# KiCad board Whimsy.kicad_pcb
title: Whimsy; date: 2020-03-06; rev: 0.2; company: Prkns
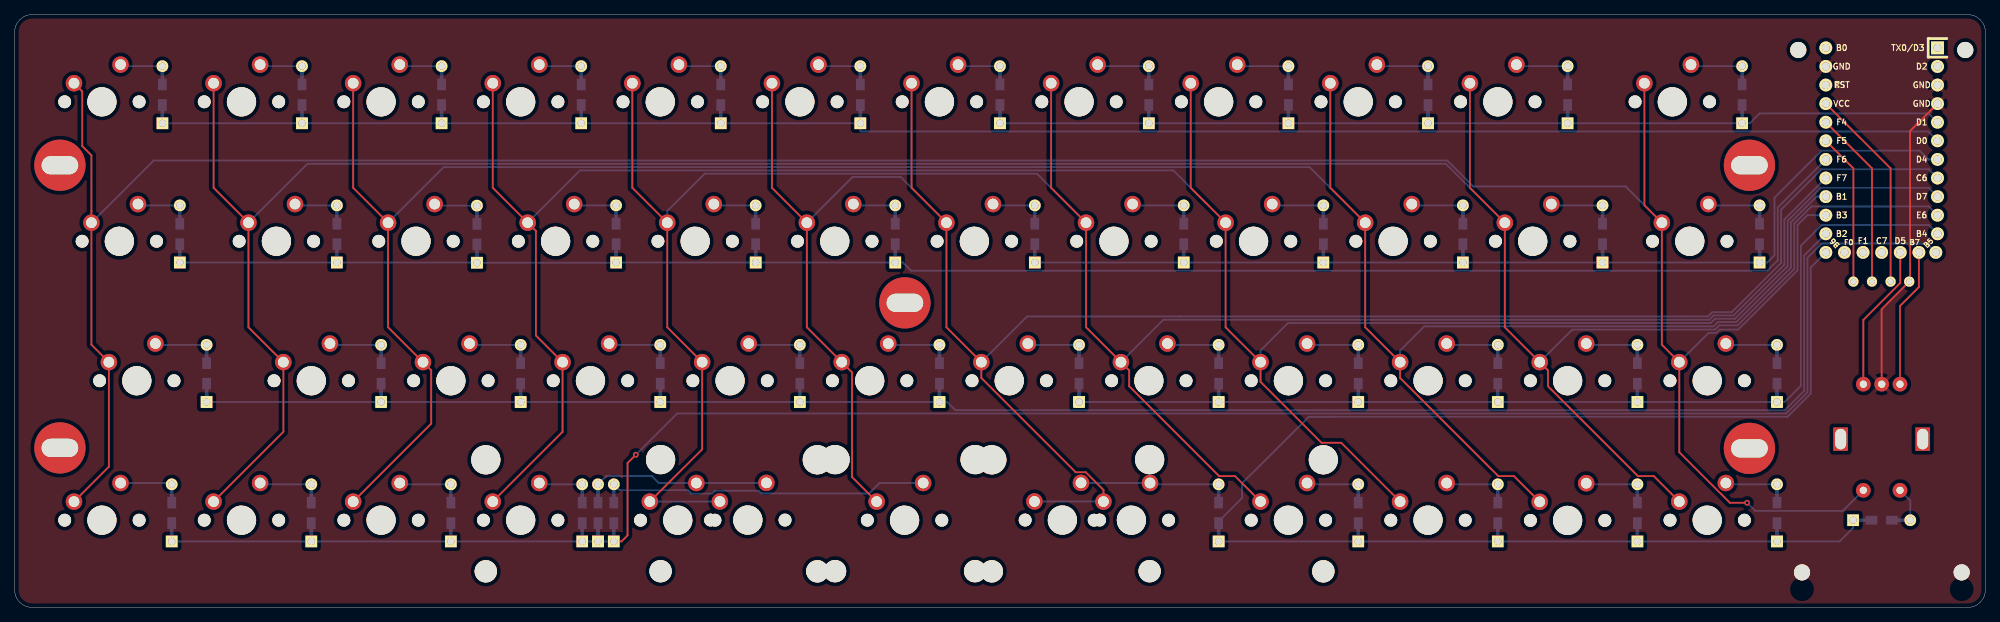
[diagram p0: board, top side]
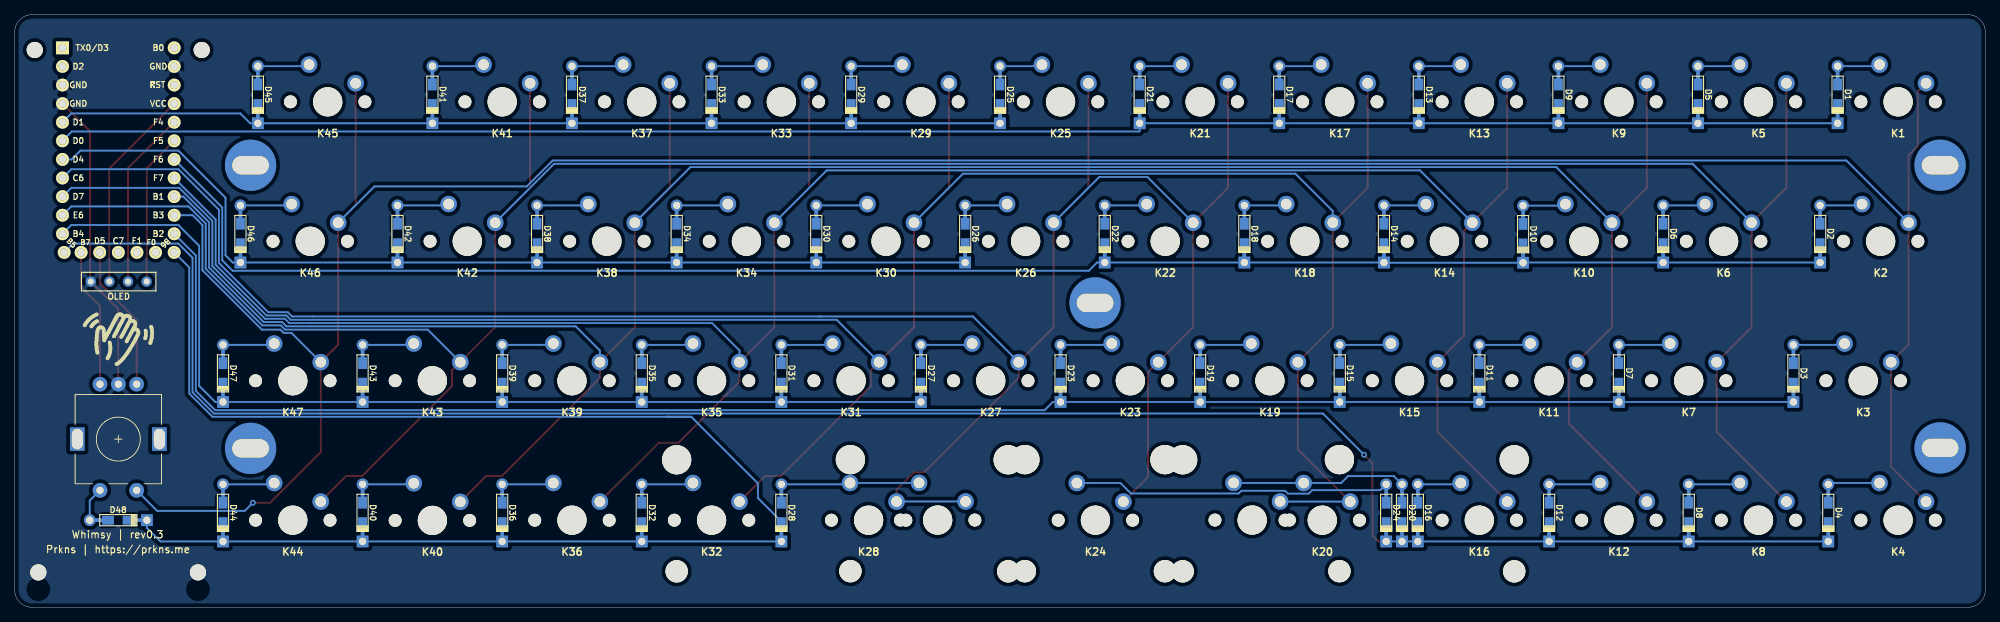
[diagram p1: board, bottom side, seen from below]

Outline 268.94 x 80.96 mm; copper layers: Top, Bottom. Coordinates in mm from the lower left corner of the outline.
Outline path: 0,78.58 arc(0.7,80.27) 2.38,80.96 266.56,80.96 arc(268.24,80.27) 268.94,78.58 268.94,2.38 arc(268.24,0.7) 266.56,0 2.38,0 arc(0.7,0.7) 0,2.38 0,78.58

## Placement (name value [footprint] x y rotation side)
D1  D  [Diode-Hybrid-Back]  20.16 70.02 270 top
D2  D  [Diode-Hybrid-Back]  22.54 51.01 270 top
D3  D  [Diode-Hybrid-Back]  26.19 31.96 270 top
D4  D  [Diode-Hybrid-Back]  21.43 12.91 270 top
D5  D  [Diode-Hybrid-Back]  39.21 70.02 270 top
D6  D  [Diode-Hybrid-Back]  43.97 51.01 270 top
D7  D  [Diode-Hybrid-Back]  50.01 31.96 270 top
D8  D  [Diode-Hybrid-Back]  40.48 12.91 270 top
D9  D  [Diode-Hybrid-Back]  58.26 70.02 270 top
D10  D  [Diode-Hybrid-Back]  63.09 50.97 270 top
D11  D  [Diode-Hybrid-Back]  69.06 31.96 270 top
D12  D  [Diode-Hybrid-Back]  59.53 12.91 270 top
D13  D  [Diode-Hybrid-Back]  77.31 70.02 270 top
D14  D  [Diode-Hybrid-Back]  82.07 51.01 270 top
D15  D  [Diode-Hybrid-Back]  88.11 31.96 270 top
D16  D  [Diode-Hybrid-Back]  77.45 12.91 270 top
D17  D  [Diode-Hybrid-Back]  96.36 70.02 270 top
D18  D  [Diode-Hybrid-Back]  101.12 51.01 270 top
D19  D  [Diode-Hybrid-Back]  107.16 31.96 270 top
D20  D  [Diode-Hybrid-Back]  79.61 12.91 270 top
D21  D  [Diode-Hybrid-Back]  115.41 70.02 270 top
D22  D  [Diode-Hybrid-Back]  120.17 51.01 270 top
D23  D  [Diode-Hybrid-Back]  126.21 31.96 270 top
D24  D  [Diode-Hybrid-Back]  81.77 12.91 270 top
D25  D  [Diode-Hybrid-Back]  134.46 70.02 270 top
D26  D  [Diode-Hybrid-Back]  139.22 51.01 270 top
D27  D  [Diode-Hybrid-Back]  145.26 31.96 270 top
D28  D  [Diode-Hybrid-Back]  164.31 12.91 270 top
D29  D  [Diode-Hybrid-Back]  154.78 70.02 270 top
D30  D  [Diode-Hybrid-Back]  159.54 51.01 270 top
D31  D  [Diode-Hybrid-Back]  164.31 31.96 270 top
D32  D  [Diode-Hybrid-Back]  183.36 12.91 270 top
D33  D  [Diode-Hybrid-Back]  173.83 70.02 270 top
D34  D  [Diode-Hybrid-Back]  178.59 51.01 270 top
D35  D  [Diode-Hybrid-Back]  183.36 31.96 270 top
D36  D  [Diode-Hybrid-Back]  202.41 12.91 270 top
D37  D  [Diode-Hybrid-Back]  192.88 70.02 270 top
D38  D  [Diode-Hybrid-Back]  197.64 51.01 270 top
D39  D  [Diode-Hybrid-Back]  202.41 31.96 270 top
D40  D  [Diode-Hybrid-Back]  221.46 12.91 270 top
D41  D  [Diode-Hybrid-Back]  211.93 70.02 270 top
D42  D  [Diode-Hybrid-Back]  216.69 51.01 270 top
D43  D  [Diode-Hybrid-Back]  221.46 31.96 270 top
D44  D  [Diode-Hybrid-Back]  240.51 12.91 270 top
D45  D  [Diode-Hybrid-Back]  235.74 70.02 270 top
D46  D  [Diode-Hybrid-Back]  238.12 51.01 270 top
D47  D  [Diode-Hybrid-Back]  240.51 31.96 270 top
D48  D  [Diode-Hybrid-Back]  254.79 11.91 180 top
HOLE  VAL**  [PKRH]  121.49 41.59 0 top
HOLE#2  VAL**  [PKRH]  236.74 21.72 0 top
HOLE#3  VAL**  [PKRH]  236.74 60.39 0 top
HOLE#4  VAL**  [PKRH]  6.18 21.78 0 top
HOLE#5  VAL**  [PKRH]  6.18 60.39 0 top
J1  OLED  [OLED_4Pin]  250.93 44.5 0 top
K1  KEYSW  [MXOnly-1U-NoLED]  11.91 69.06 0 top
K2  KEYSW  [MXOnly-1.25U-NoLED]  14.29 50.01 0 top
K3  KEYSW  [MXOnly-1.5U-NoLED]  16.67 30.96 0 top
K4  KEYSW  [MXOnly-1U-NoLED]  11.91 11.91 0 top
K5  KEYSW  [MXOnly-1U-NoLED]  30.96 69.06 0 top
K6  KEYSW  [MXOnly-1U-NoLED]  35.72 50.01 0 top
K7  KEYSW  [MXOnly-1U-NoLED]  40.48 30.96 0 top
K8  KEYSW  [MXOnly-1U-NoLED]  30.96 11.91 0 top
K9  KEYSW  [MXOnly-1U-NoLED]  50.01 69.06 0 top
K10  KEYSW  [MXOnly-1U-NoLED]  54.77 50.01 0 top
K11  KEYSW  [MXOnly-1U-NoLED]  59.53 30.96 0 top
K12  KEYSW  [MXOnly-1U-NoLED]  50.01 11.91 0 top
K13  KEYSW  [MXOnly-1U-NoLED]  69.06 69.06 0 top
K14  KEYSW  [MXOnly-1U-NoLED]  73.82 50.01 0 top
K15  KEYSW  [MXOnly-1U-NoLED]  78.58 30.96 0 top
K16  KEYSW  [MXOnly-1U-NoLED]  69.06 11.91 0 top
K17  KEYSW  [MXOnly-1U-NoLED]  88.11 69.06 0 top
K18  KEYSW  [MXOnly-1U-NoLED]  92.87 50.01 0 top
K19  KEYSW  [MXOnly-1U-NoLED]  97.63 30.96 0 top
K20  KEYSW  [MXOnly-1.25U-NoLED]  90.49 11.91 0 top
K21  KEYSW  [MXOnly-1U-NoLED]  107.16 69.06 0 top
K22  KEYSW  [MXOnly-1U-NoLED]  111.92 50.01 0 top
K23  KEYSW  [MXOnly-1U-NoLED]  116.68 30.96 0 top
K24  KEYSW  [MXOnly-2U-ReversedStabilizers-NoLED]  121.44 11.91 0 top
K25  KEYSW  [MXOnly-1U-NoLED]  126.21 69.06 0 top
K26  KEYSW  [MXOnly-1U-NoLED]  130.97 50.01 0 top
K27  KEYSW  [MXOnly-1U-NoLED]  135.73 30.96 0 top
K28  KEYSW  [MXOnly-1.25U-NoLED]  152.4 11.91 0 top
K29  KEYSW  [MXOnly-1U-NoLED]  145.26 69.06 0 top
K30  KEYSW  [MXOnly-1U-NoLED]  150.02 50.01 0 top
K31  KEYSW  [MXOnly-1U-NoLED]  154.78 30.96 0 top
K32  KEYSW  [MXOnly-1U-NoLED]  173.83 11.91 0 top
K33  KEYSW  [MXOnly-1U-NoLED]  164.31 69.06 0 top
K34  KEYSW  [MXOnly-1U-NoLED]  169.07 50.01 0 top
K35  KEYSW  [MXOnly-1U-NoLED]  173.83 30.96 0 top
K36  KEYSW  [MXOnly-1U-NoLED]  192.88 11.91 0 top
K37  KEYSW  [MXOnly-1U-NoLED]  183.36 69.06 0 top
K38  KEYSW  [MXOnly-1U-NoLED]  188.12 50.01 0 top
K39  KEYSW  [MXOnly-1U-NoLED]  192.88 30.96 0 top
K40  KEYSW  [MXOnly-1U-NoLED]  211.93 11.87 0 top
K41  KEYSW  [MXOnly-1U-NoLED]  202.41 69.06 0 top
K42  KEYSW  [MXOnly-1U-NoLED]  207.17 50.01 0 top
K43  KEYSW  [MXOnly-1U-NoLED]  211.93 30.96 0 top
K44  KEYSW  [MXOnly-1U-NoLED]  230.98 11.91 0 top
K45  KEYSW  [MXOnly-1.5U-NoLED]  226.22 69.06 0 top
K46  KEYSW  [MXOnly-1.25U-NoLED]  228.6 50.01 0 top
K47  KEYSW  [MXOnly-1U-NoLED]  230.98 30.96 0 top
REF**  7U  [MXOnly-7U-NoSwitch]  121.44 11.91 180 top
REF**#2  2.25U  [MXOnly-2.25U-ReversedStabilizers-NoLED]  142.98 11.93 0 top
REF**#3  2.25U  [MXOnly-2.25U-ReversedStabilizers-NoLED]  100.05 11.93 0 top
SW1  Rotary_Encoder_Switch  [RotaryEncoder_Alps_EC11E-Switch_Vertical_H20mm-keebio_modified]  254.79 22.98 270 top
TOP_R  -  [MountingHole_2.2mm_M2]  243.92 4.78 0 top
TOP_R#2  -  [MountingHole_2.2mm_M2]  265.71 4.78 0 top
TOP_R#3  -  [MountingHole_2.2mm_M2]  243.41 76.14 0 top
TOP_R#4  -  [MountingHole_2.2mm_M2]  266.2 76.14 0 top
U1  Elite-C  [Elite-C-NoSilk]  254.79 62.46 270 bottom
Wave Back  -  [Wave-Back]  333.12 41.34 0 top
Wave Back#2  -  [Wave-Back]  249.94 40.28 0 bottom

## Footprints (pads in the part's own frame, mm; a bottom-side part is the same pattern mirrored in y, then rotated)
Diode-Hybrid-Back
  rect 1.6x1.2 smd far side: 1(1.4,0) 2(-1.4,0)
  rect 2.9x0.5 smd far side: 1(2.5,0) 2(-2.5,0)
  rect 1.6x1.6 hole 1: 1(3.9,0)
  round 1.6 hole 1: 2(-3.9,0)
Elite-C-NoSilk
  rect 1.753x1.753 hole 1.092: 1(-13.97,-7.62)
  round 1.753 hole 1.092: 2(-11.43,-7.62) 3(-8.89,-7.62) 4(-6.35,-7.62) 5(-3.81,-7.62) 6(-1.27,-7.62) 7(1.27,-7.62) 8(3.81,-7.62) 9(6.35,-7.62) 10(8.89,-7.62) 11(11.43,-7.62) 12(13.97,-7.391) 13(13.97,7.62) 14(11.43,7.62) 15(8.89,7.62) 16(6.35,7.62) 17(3.81,7.62) 18(1.27,7.62) 19(-1.27,7.62) 20(-3.81,7.62) 21(-6.35,7.62) 22(-8.89,7.62) 23(-11.43,7.62) 24(-13.97,7.62) 25(13.97,-5.08) 26(13.97,-2.54) 27(13.97,0) 28(13.97,2.54) 29(13.97,5.08)
MountingHole_2.2mm_M2
  round 2.2 hole 2.2 unplated: (0,0)
MXOnly-1.5U-NoLED
  round 1.75 hole 1.75 unplated: (-5.08,0) (5.08,0)
  round 3.988 hole 3.988 unplated: (0,0)
  round 2.25 hole 1.47: 1(-3.81,2.54) 2(2.54,5.08)
MXOnly-1.25U-NoLED
  round 1.75 hole 1.75 unplated: (-5.08,0) (5.08,0)
  round 3.988 hole 3.988 unplated: (0,0)
  round 2.25 hole 1.47: 1(-3.81,2.54) 2(2.54,5.08)
MXOnly-1U-NoLED
  round 1.75 hole 1.75 unplated: (-5.08,0) (5.08,0)
  round 3.988 hole 3.988 unplated: (0,0)
  round 2.25 hole 1.47: 1(-3.81,2.54) 2(2.54,5.08)
MXOnly-2.25U-ReversedStabilizers-NoLED
  round 3.988 hole 3.988 unplated: (-11.906,8.255) (0,0) (11.906,8.255)
  round 3.048 hole 3.048 unplated: (-11.906,-6.985) (11.906,-6.985)
  round 1.75 hole 1.75 unplated: (-5.08,0) (5.08,0)
  round 2.25 hole 1.47: 1(-3.81,2.54) 2(2.54,5.08)
MXOnly-2U-ReversedStabilizers-NoLED
  round 3.988 hole 3.988 unplated: (-11.906,8.255) (0,0) (11.906,8.255)
  round 3.048 hole 3.048 unplated: (-11.906,-6.985) (11.906,-6.985)
  round 1.75 hole 1.75 unplated: (-5.08,0) (5.08,0)
  round 2.25 hole 1.47: 1(-3.81,2.54) 2(2.54,5.08)
MXOnly-7U-NoSwitch
  round 3.048 hole 3.048 unplated: (-57.15,6.985) (57.15,6.985)
  round 3.988 hole 3.988 unplated: (-57.15,-8.255) (57.15,-8.255)
OLED_4Pin
  round 1.397 hole 0.813: 1(0,0) 2(2.54,0) 3(5.08,0) 4(7.62,0)
PKRH
  round 7 hole 5.001x2.499: 1(0,0)
RotaryEncoder_Alps_EC11E-Switch_Vertical_H20mm-keebio_modified
  round 2 hole 1: A(-7.5,2.5) B(-7.5,-2.5) C(-7.5,0) S1(7,-2.5) S2(7,2.5)
  rect 3.2x2 hole 2.8x1.5: MP(0,5.6) MP(0,-5.6)

## Nets
GND: J1.4 SW1.C U1.3 U1.4 U1.23
VCC: J1.3 U1.21
col0: K1.1 K2.1 K3.1 K4.1 K45.1 K46.1 K47.1 SW1.S1 U1.15
col1: K5.1 K6.1 K7.1 K8.1 K41.1 K42.1 K43.1 K44.1 U1.10
col2: K9.1 K10.1 K11.1 K12.1 K37.1 K38.1 K39.1 K40.1 U1.16
col3: K13.1 K14.1 K15.1 K16.1 K33.1 K34.1 K35.1 K36.1 U1.9
col4: K17.1 K18.1 K19.1 K20.1 K29.1 K30.1 K31.1 K32.1 REF**#3.1 U1.17
col5: K21.1 K22.1 K23.1 K24.1 K25.1 K26.1 K27.1 K28.1 REF**#2.1 U1.8
rot0: SW1.A U1.25
rot1: SW1.B U1.26
row0: D1.1 D5.1 D9.1 D13.1 D17.1 D21.1 U1.6
row1: D2.1 D6.1 D10.1 D14.1 D18.1 D22.1 U1.18
row2: D3.1 D7.1 D11.1 D15.1 D19.1 D23.1 U1.14
row3: D4.1 D8.1 D12.1 D16.1 D20.1 D24.1 U1.12
row4: D25.1 D29.1 D33.1 D37.1 D41.1 D45.1 U1.5
row5: D26.1 D30.1 D34.1 D38.1 D42.1 D46.1 U1.7
row6: D27.1 D31.1 D35.1 D39.1 D43.1 D47.1 U1.11
row7: D28.1 D32.1 D36.1 D40.1 D44.1 D48.1 U1.13
SCL: J1.2 U1.20
SDA: J1.1 U1.19
Net-(D1-Pad2): D1.2 K1.2
Net-(D2-Pad2): D2.2 K2.2
Net-(D3-Pad2): D3.2 K3.2
Net-(D4-Pad2): D4.2 K4.2
Net-(D5-Pad2): D5.2 K5.2
Net-(D6-Pad2): D6.2 K6.2
Net-(D7-Pad2): D7.2 K7.2
Net-(D8-Pad2): D8.2 K8.2
Net-(D9-Pad2): D9.2 K9.2
Net-(D10-Pad2): D10.2 K10.2
Net-(D11-Pad2): D11.2 K11.2
Net-(D12-Pad2): D12.2 K12.2
Net-(D13-Pad2): D13.2 K13.2
Net-(D14-Pad2): D14.2 K14.2
Net-(D15-Pad2): D15.2 K15.2
Net-(D16-Pad2): D16.2 K16.2
Net-(D17-Pad2): D17.2 K17.2
Net-(D18-Pad2): D18.2 K18.2
Net-(D19-Pad2): D19.2 K19.2
Net-(D20-Pad2): D20.2 K20.2 REF**#3.2
Net-(D21-Pad2): D21.2 K21.2
Net-(D22-Pad2): D22.2 K22.2
Net-(D23-Pad2): D23.2 K23.2
Net-(D24-Pad2): D24.2 K24.2
Net-(D25-Pad2): D25.2 K25.2
Net-(D26-Pad2): D26.2 K26.2
Net-(D27-Pad2): D27.2 K27.2
Net-(D28-Pad2): D28.2 K28.2 REF**#2.2
Net-(D29-Pad2): D29.2 K29.2
Net-(D30-Pad2): D30.2 K30.2
Net-(D31-Pad2): D31.2 K31.2
Net-(D32-Pad2): D32.2 K32.2
Net-(D33-Pad2): D33.2 K33.2
Net-(D34-Pad2): D34.2 K34.2
Net-(D35-Pad2): D35.2 K35.2
Net-(D36-Pad2): D36.2 K36.2
Net-(D37-Pad2): D37.2 K37.2
Net-(D38-Pad2): D38.2 K38.2
Net-(D39-Pad2): D39.2 K39.2
Net-(D40-Pad2): D40.2 K40.2
Net-(D41-Pad2): D41.2 K41.2
Net-(D42-Pad2): D42.2 K42.2
Net-(D43-Pad2): D43.2 K43.2
Net-(D44-Pad2): D44.2 K44.2
Net-(D45-Pad2): D45.2 K45.2
Net-(D46-Pad2): D46.2 K46.2
Net-(D47-Pad2): D47.2 K47.2
Net-(D48-Pad2): D48.2 SW1.S2
Net-(U1-Pad1): U1.1
Net-(U1-Pad2): U1.2
Net-(U1-Pad22): U1.22
Net-(U1-Pad24): U1.24
Net-(U1-Pad27): U1.27
Net-(U1-Pad28): U1.28
Net-(U1-Pad29): U1.29

Pads without a net: HOLE 1; HOLE#2 1; HOLE#3 1; HOLE#4 1; HOLE#5 1; SW1 MP

## Via types
v1: diameter 0.8, hole 0.4, Top to Bottom, 2 vias

## Routing (per net, layer and track width the routed paths; a pad name or vN(x,y) marks a point on that pad's centre or on a via; arc(x,y) is an arc through that point)
GND: length 41.5
  Top w0.25: U1.4 258.67,65.07 258.67,44.62 J1.4 254.79,40.74 SW1.C
VCC: length 28
  Top w0.25: U1.21 256.01,59.97 J1.3
col0: length 396.4
  Top w0.25: K4.1 12.86,19.21 K3.1 10.48,35.88 K2.1 10.48,61.75 9.22,63 9.22,70.47 K1.1 ; v1(236.43,14.29) 234.07,14.29 227.17,21.19 K47.1 224.79,35.88 K46.1 222.41,54.93 K45.1
  Bottom w0.25: U1.15 244.65,53.57 243.31,52.23 243.31,46.05 235.2,37.94 232.67,37.94 232.22,37.49 231.16,37.49 K47.1 ; K2.1 18.97,61.04 195.5,61.04 199.04,57.5 219.83,57.5 K46.1 ; v1(236.43,14.29) 237.53,13.18 249.49,13.18 SW1.S1
col1: length 380.6
  Top w0.25: K8.1 36.67,23.97 K7.1 31.91,38.26 K6.1 27.15,57.31 K5.1 ; K41.1 198.6,57.31 K42.1 203.36,38.26 K43.1 209.25,32.37 209.25,30.21 221.52,17.93 223.69,17.93 K44.1
  Bottom w0.25: K42.1 195.32,60.59 39.95,60.59 K6.1 ; K43.1 212.56,37.94 232.03,37.94 232.61,38.52 235.14,38.52 242.86,46.24 242.86,52.42 245.21,54.77 261.21,54.77 U1.10
col2: length 347.9
  Top w0.25: K37.1 179.55,57.31 K38.1 184.31,38.26 K39.1 189.07,31.33 202.47,17.93 204.6,17.93 K40.1 ; K12.1 56.85,25.1 56.85,32.37 K11.1 50.96,38.26 K10.1 46.2,57.31 K9.1
  Bottom w0.25: K38.1 176.72,60.14 139.89,60.14 58.55,60.14 K10.1 ; U1.16 245.91,56.11 242.41,52.6 242.41,46.42 234.96,38.97 232.43,38.97 231.85,38.39 192.37,38.39 189.07,35.09 K39.1
col3: length 344.1
  Top w0.25: K33.1 160.5,57.31 K34.1 165.26,38.26 K35.1 170.02,30.81 178.35,22.48 181.04,22.48 K36.1 ; K13.1 65.25,57.31 K14.1 71.13,51.42 71.13,37.13 K15.1 74.77,23.97 K16.1
  Bottom w0.25: K35.1 170.02,35.09 173.77,38.84 231.46,38.84 232.04,39.42 234.76,39.42 241.69,46.35 241.7,46.35 241.96,46.61 241.96,52.79 246.48,57.31 261.21,57.31 U1.9 ; K34.1 158.12,59.69 139.7,59.69 77.15,59.69 K14.1
col4: length 317.7
  Top w0.25: K17.1 84.3,57.31 K18.1 89.06,38.26 K19.1 93.82,21.59 K20.1 ; K32.1 166.54,17.93 164.37,17.93 152.1,30.21 152.1,32.37 K31.1 146.21,38.26 K30.1 141.45,57.31 K29.1
  Bottom w0.25: U1.17 241.51,52.99 241.51,46.8 241.5,46.8 234.57,39.87 231.86,39.87 231.27,39.29 156.76,39.29 K31.1 ; K20.1 96.22,14.45 REF**#3.1 ; K30.1 139.52,59.24 94.16,59.24 89.06,54.14 K18.1
col5: length 312
  Top w0.25: K28.1 148.59,16.04 146.17,18.46 144.8,18.46 131.92,31.33 K27.1 127.16,38.26 K26.1 122.4,57.31 K25.1 ; K21.1 103.35,57.31 K22.1 108.11,38.26 K23.1 114.28,32.09 114.28,17.8 K24.1 ; 139.19,14.45 REF**#2.1
  Bottom w0.25: K22.1 114.35,58.79 120.92,58.79 K26.1 ; U1.8 261.21,59.85 246.59,59.85 241.06,54.32 241.06,47.04 234.34,40.32 231.67,40.32 231.09,39.74 158.87,39.74 ; 158.87,39.74 159.19,39.74 ; 158.87,39.74 138.16,39.74 K27.1 ; K28.1 148.57,14.47 REF**#2.1
rot0: length 19.1
  Top w0.25: SW1.A 257.29,41.18 259.87,43.76 U1.25
rot1: length 20.1
  Top w0.25: U1.26 257.33,44.3 252.29,39.26 SW1.B
row0: length 243.9
  Bottom w0.25: D1.1 D21.1 115.41,65.07 115.49,65 261.14,65 U1.6
row1: length 235.6
  Bottom w0.25: U1.18 240.61,54.63 240.61,47.41 239.19,45.98 122.35,45.98 121.22,47.11 D22.1 D18.1 D14.1 82.04,47.07 D10.1 63.06,47.11 D6.1 D2.1
row2: length 244.2
  Bottom w0.25: D23.1 126.21,28.26 125.71,27.76 ; U1.14 244.21,48.07 244.21,29.58 241.57,26.93 128.38,26.93 127.26,28.06 D23.1 D19.1 D15.1 D11.1 D7.1 D3.1
row3: length 278.3
  Top w0.25: v1(84.77,20.85) 83.64,19.71 83.64,9.83 82.82,9.01 D24.1
  Bottom w0.25: v1(84.77,20.85) 90.41,26.48 241.75,26.48 244.66,29.39 244.66,47.76 246.59,49.69 260.98,49.69 262.18,48.49 ; 81.6,9.01 D4.1 21.43,11.73 ; D24.1 81.77,10.06
row4: length 129
  Bottom w0.25: D45.1 236.79,66.12 238.14,67.47 261.21,67.47 U1.5 ; D25.1 235.74,66.12
row5: length 137.1
  Bottom w0.25: D46.1 D42.1 D34.1 D30.1 D26.1 ; D46.1 238.12,48.16 ; D46.1 239.17,47.11 240.16,48.09 240.16,55.96 246.59,62.39 259.97,62.39 261.17,61.19 U1.7 ; D46.1 D46.1
row6: length 138.9
  Bottom w0.25: D27.1 D31.1 D47.1 241.56,28.06 243.76,30.26 243.76,49.4 246.59,52.23 261.21,52.23 U1.11
row7: length 209.2
  Bottom w0.25: U1.13 245.11,46.43 245.11,29.2 241.94,26.03 176.61,26.03 ; D28.1 164.31,11.73 ; D28.1 D32.1 D40.1 240.99,9.01 ; D28.1 164.31,11.74 167.5,14.94 167.5,16.94 175.69,25.12 176.59,26.03 179.98,26.03 179.74,26.03 ; D28.1 164.31,10.88 ; D48.1 250.89,10.86 249.04,9.01 D44.1
SCL: length 24.4
  Top w0.25: J1.2 253.47,59.97 U1.20
SDA: length 20.8
  Top w0.25: U1.19 250.93,59.97 J1.1
Net-(D1-Pad2): length 5.8
  Bottom w0.25: K1.2 14.66,73.92 D1.2
Net-(D2-Pad2): length 5.8
  Bottom w0.25: D2.2 17.01,54.91 K2.2
Net-(D3-Pad2): length 7.3
  Bottom w0.25: 19.19,35.75 19.3,35.86 D3.2 ; 19.39,35.86 K3.2
Net-(D4-Pad2): length 7.1
  Bottom w0.25: D4.2 21.25,16.99 K4.2
Net-(D5-Pad2): length 5.8
  Bottom w0.25: K5.2 33.71,73.92 D5.2
Net-(D6-Pad2): length 5.8
  Bottom w0.25: K6.2 38.44,54.91 D6.2
Net-(D7-Pad2): length 7.3
  Bottom w0.25: 42.84,35.86 K7.2 ; D7.2 43.11,35.86 43,35.75
Net-(D8-Pad2): length 7.1
  Bottom w0.25: D8.2 33.68,16.81 K8.2
Net-(D9-Pad2): length 5.8
  Bottom w0.25: K9.2 52.76,73.92 D9.2
Net-(D10-Pad2): length 5.9
  Bottom w0.25: K10.2 57.52,54.87 D10.2
Net-(D11-Pad2): length 7.3
  Bottom w0.25: D11.2 62.16,35.86 62.05,35.75 ; 61.89,35.86 K11.2
Net-(D12-Pad2): length 7.1
  Bottom w0.25: D12.2 52.73,16.81 K12.2
Net-(D13-Pad2): length 5.8
  Bottom w0.25: D13.2 71.81,73.92 K13.2
Net-(D14-Pad2): length 5.8
  Bottom w0.25: D14.2 76.54,54.91 K14.2
Net-(D15-Pad2): length 7.3
  Bottom w0.25: D15.2 81.21,35.86 81.1,35.75 ; 80.94,35.86 K15.2
Net-(D16-Pad2): length 5.9
  Bottom w0.25: K16.2 71.78,16.81 D16.2
Net-(D17-Pad2): length 5.8
  Bottom w0.25: K17.2 90.86,73.92 D17.2
Net-(D18-Pad2): length 5.8
  Bottom w0.25: K18.2 95.59,54.91 D18.2
Net-(D19-Pad2): length 7.3
  Bottom w0.25: D19.2 100.26,35.86 100.15,35.75 ; 99.99,35.86 K19.2
Net-(D20-Pad2): length 24.4
  Bottom w0.25: K20.2 87.91,16.99 86.96,17.93 80.73,17.93 D20.2 ; K20.2 92.85,16.81 ; K20.2 93.21,16.81 ; K20.2 102.57,16.99 REF**#3.2
Net-(D21-Pad2): length 5.8
  Bottom w0.25: D21.2 109.91,73.92 K21.2
Net-(D22-Pad2): length 5.8
  Bottom w0.25: D22.2 114.64,54.91 K22.2
Net-(D23-Pad2): length 7.3
  Bottom w0.25: 119.2,35.75 119.31,35.86 D23.2 ; 119.04,35.86 K23.2
Net-(D24-Pad2): length 43.7
  Bottom w0.25: D24.2 82.57,16.01 91.86,16.01 92.33,15.54 95.17,15.54 95.56,15.93 101.53,15.93 101.9,15.56 116.6,15.56 118.03,16.99 K24.2
Net-(D25-Pad2): length 5.8
  Bottom w0.25: K25.2 128.96,73.92 D25.2
Net-(D26-Pad2): length 5.8
  Bottom w0.25: D26.2 133.69,54.91 K26.2
Net-(D27-Pad2): length 7.3
  Bottom w0.25: 138.25,35.75 138.36,35.86 D27.2 ; 138.09,35.86 K27.2
Net-(D28-Pad2): length 19.1
  Bottom w0.25: D28.2 155.03,16.81 154.92,16.7 ; 154.76,16.81 K28.2 145.54,16.99 REF**#2.2
Net-(D29-Pad2): length 7.1
  Bottom w0.25: K29.2 148.01,73.92 D29.2
Net-(D30-Pad2): length 7.1
  Bottom w0.25: D30.2 152.74,54.91 K30.2
Net-(D31-Pad2): length 7.3
  Bottom w0.25: 157.3,35.75 157.41,35.86 D31.2 ; 157.14,35.86 K31.2
Net-(D32-Pad2): length 7.3
  Bottom w0.25: 176.19,16.81 K32.2 ; 176.35,16.7 176.46,16.81 D32.2
Net-(D33-Pad2): length 7.1
  Bottom w0.25: D33.2 167.06,73.92 K33.2
Net-(D34-Pad2): length 7.1
  Bottom w0.25: D34.2 171.79,54.91 K34.2
Net-(D35-Pad2): length 7.3
  Bottom w0.25: 176.35,35.75 176.46,35.86 D35.2 ; 176.19,35.86 K35.2
Net-(D36-Pad2): length 7.3
  Bottom w0.25: 195.24,16.81 K36.2 ; 195.4,16.7 195.51,16.81 D36.2
Net-(D37-Pad2): length 7.1
  Bottom w0.25: K37.2 186.11,73.92 D37.2
Net-(D38-Pad2): length 7.1
  Bottom w0.25: K38.2 190.84,54.91 D38.2
Net-(D39-Pad2): length 7.3
  Bottom w0.25: 195.24,35.86 K39.2 ; 195.4,35.75 195.51,35.86 D39.2
Net-(D40-Pad2): length 7.3
  Bottom w0.25: 214.32,16.81 K40.2 ; D40.2 214.59,16.81 214.45,16.66
Net-(D41-Pad2): length 7.1
  Bottom w0.25: K41.2 205.16,73.92 D41.2
Net-(D42-Pad2): length 7.1
  Bottom w0.25: D42.2 209.89,54.91 K42.2
Net-(D43-Pad2): length 7.3
  Bottom w0.25: D43.2 214.56,35.86 214.45,35.75 ; 214.29,35.86 K43.2
Net-(D44-Pad2): length 7.3
  Bottom w0.25: 233.34,16.81 K44.2 ; D44.2 233.61,16.81 233.5,16.7
Net-(D45-Pad2): length 7.4
  Bottom w0.25: 228.55,73.92 K45.2 228.97,73.92 D45.2
Net-(D46-Pad2): length 7.3
  Bottom w0.25: D46.2 231.23,54.91 231.12,54.8 ; 230.96,54.91 K46.2
Net-(D47-Pad2): length 7.3
  Bottom w0.25: 233.5,35.75 233.61,35.86 D47.2 ; 233.34,35.86 K47.2
Net-(D48-Pad2): length 4.7
  Bottom w0.25: SW1.S2 258.69,14.58 D48.2

## Copper pours and planes (outline as drawn; the poured copper is in the pictures)
GND on Top: 268.94,-0.01 0,0 0.01,80.96 268.91,80.96
GND on Bottom: 268.94,-0.01 0,0 0.01,80.96 268.91,80.96

## Text on the board
B.SilkS: Prkns | https://prkns.me | Whimsy | rev0.3
